# Altium PCB PCB-ZB206B-0B.PcbDoc (part 5 of 7) (continued)
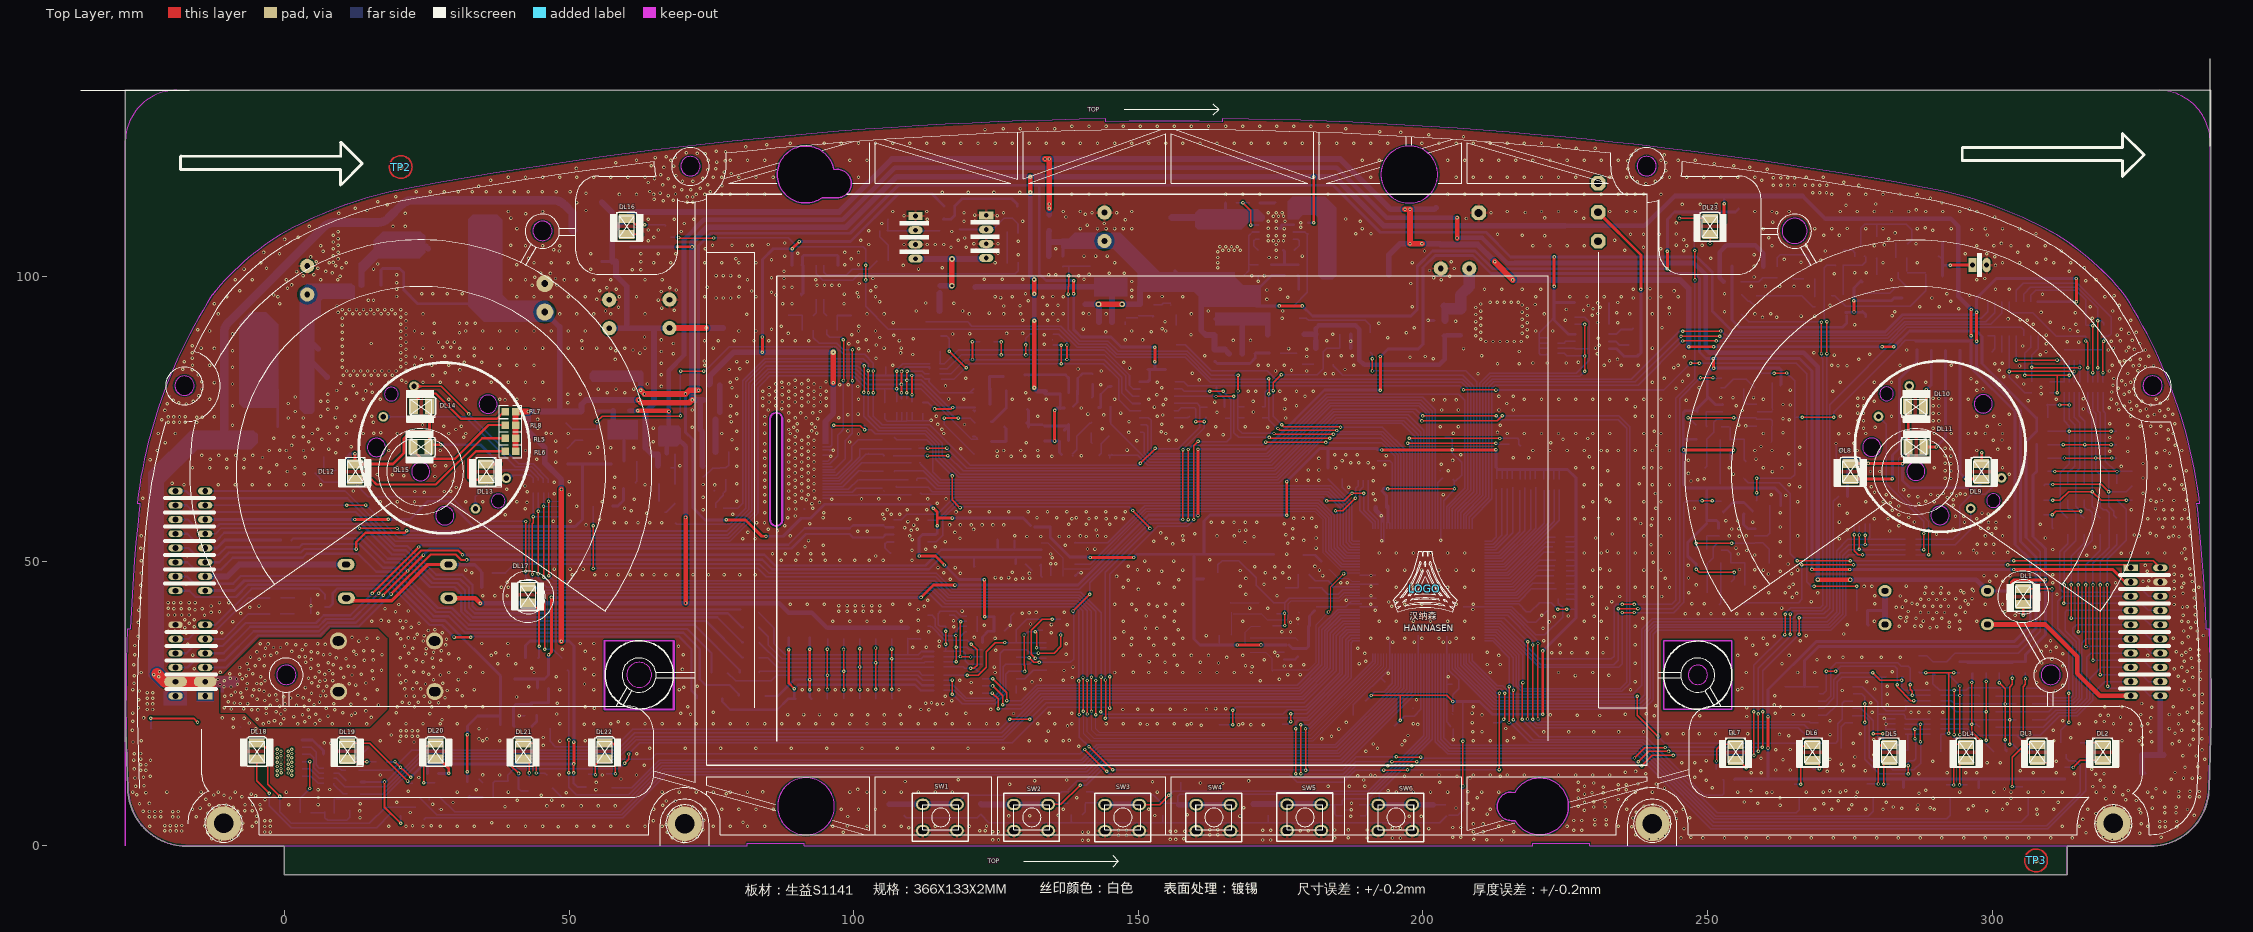
[diagram p0: Top Layer view]
## Nets (pads, with @x,y where several pads share a name; then routed paths per layer and width w, separated by ;. In a path a pad name is that pad's centre, name@x,y a point inside that pad or via, vN(x,y) a via of type N, cw(c..) or ccw(c..) an arc to the next point about the centre after c; other vN are vias at no path point) (continued)
  Bottom Layer w0.25: R120.1@309.753,68.148 v1(312.725,68.148) ; RP15.3@317.692,79.697 317.692,76.431 318.2,75.923 v1(318.2,68.148) 318.2,66.04 319.05,65.19 R205.2@319.05,63.627 ; v1(321.005,68.148) C41.1@321.945,68.148
NetC42_1: C42.1 R121.1 R203.2 RP15.2 | length 40.1
  Top Layer w0.25: v1(310.642,63.5) 319.202,63.5 v1(320.472,62.23)
  Bottom Layer w0.25: R121.1@309.113,63.246 309.367,63.5 v1(310.642,63.5) ; RP15.2@318.592,79.697 318.592,76.471 319,76.063 319,67.08 320.472,65.608 v1(320.472,62.23) ; R203.2@321.921,57.537 321.336,58.122 321.336,58.801 320.472,59.666 v1(320.472,62.23) ; C42.1@324.612,63.246 323.596,62.23 v1(320.472,62.23)
NetC43_1: C43.1 R122.1 R201.2 RP15.1 | length 32.1
  Top Layer w0.25: v1(311.023,65.786) v1(321.945,65.786)
  Bottom Layer w0.25: R122.1@309.753,65.786 v1(311.023,65.786) ; RP15.1@319.492,79.697 319.492,76.451 319.913,76.03 319.913,67.619 321.722,65.81 v1@321.921,65.81 ; R201.2@321.921,63.627 v1@321.921,65.81 ; C43.1@324.612,65.786 v1(321.945,65.786) v1@321.921,65.81
NetC44_1: C44.1 R123.1 R214.2 RP17.4 | length 36
  Top Layer w0.25: v1@313.567,72.873 v1(320.904,72.873)
  Bottom Layer w0.25: R123.1@309.753,72.873 v1(313.563,72.873) 313.567,72.873 v1@313.592,72.898 ; RP17.4@312.652,79.697 312.652,74.698 313.592,73.758 v1@313.592,72.898 ; R214.2@313.309,57.537 311.937,58.909 311.937,65.528 313.592,67.183 v1@313.592,72.898 ; v1(320.904,72.873) C44.1@321.945,72.873
NetC45_1: C45.1 R124.1 R209.2 RP17.3 | length 23.5
  Top Layer w0.25: v1(311.912,77.47) v1(313.552,77.47)
  Bottom Layer w0.25: R124.1@309.753,75.184 R124.1@309.753,75.235 309.753,77.343 C45.1@309.626,77.47 ; C45.1@309.753,77.597 C45.1@309.626,77.47 ; v1@312.039,77.47 v1(311.912,77.47) C45.1@309.626,77.47 ; R209.2@313.309,63.627 313.309,65.532 314.492,66.715 314.492,74.001 313.552,74.941 v1(313.552,77.47) RP17.3@313.552,79.697
NetC46_1: C46.1 R125.1 R208.2 RP17.2 | length 32.7
  Top Layer w0.25: v1(310.591,58.166) 311.226,58.801 v1(315.595,58.801)
  Bottom Layer w0.25: R125.1@309.113,58.166 v1(310.591,58.166) 310.591,55.931 C46.1@310.769,55.753 ; RP17.2@314.452,79.697 314.452,75.311 315.382,74.381 315.382,66.335 314.706,65.659 314.706,59.69 v1(315.595,58.801) 315.595,58.122 R208.2@316.18,57.537
NetC47_1: C47.1 R126.1 R207.2 RP17.1 | length 28.7
  Top Layer w0.25: v1(312.522,70.51) v1(316.302,70.51) v1(320.904,70.51)
  Bottom Layer w0.25: R126.1@309.753,70.51 v1(312.522,70.51) ; RP17.1@315.352,79.697 315.352,75.554 316.302,74.604 316.302,74.167 ; R207.2@316.18,63.627 316.18,65.918 316.302,66.04 v1(316.302,70.51) 316.302,74.147 ; v1(320.904,70.51) C47.1@321.945,70.51
NetC48_1: C48.1 R54.1 U10.56 | length 10
  Bottom Layer w0.25: R54.1@179.97,47.72 181.08,46.61 183.37,46.61 184.18,45.8 C48.1@184.18,45.36 ; C48.1@184.33,45.51 U10.56@188.9,45.51
NetC48_2: C48.2 C52.1 U10.55 | length 9.8
  Bottom Layer w0.25: C52.1@179.98,45.36 C48.2@182.28,45.36 182.28,45.177 183.261,44.196 185.146,44.196 185.96,45.01 U10.55@188.9,45.01
NetC49_2: C49.2 U300.5 | length 3
  Bottom Layer w0.3: C49.2@171.069,104.648 170.307,105.41 170.307,106.299 170.593,106.585 U300.5@171.25,106.585
NetC51_1: C51.1 R194.2 R195.1 R196.1 | length 7.3
  Bottom Layer w0.5: R194.2@173.389,102.108 C51.1@175.675,102.108 ; R195.1@175.519,104.648 175.675,104.492 C51.1@175.675,102.108 ; R196.1@178.054,102.108 C51.1@175.675,102.108
NetC52_2: C52.2 C98.1 R54.2 | length 4.7
  Bottom Layer w0.25: C98.1@175.78,45.36 C52.2@178.08,45.36 178.07,45.37 R54.2@178.07,47.72
NetC58_1: C58.1 R63.2 R168.1 RP21.5 | length 42
  Top Layer w0.25: v1(101.05,34.62) 101.06,34.61 v1@101.06,27.49
  Bottom Layer w0.25: R63.2@83.29,33.07 84.913,33.07 86.553,31.43 v1(101.06,31.43) 113.99,31.43 RP21.5@114.02,31.46 ; v1(101.04,27.47) 101.04,25.876 C58.1@101.086,25.83 ; v1@101.042,34.62 R168.1@101.042,36.39
NetC59_1: C59.1 R61.2 R72.1 RP21.6 | length 43
  Top Layer w0.25: v1@103.84,34.72 103.85,34.71 v1(103.85,27.54) ; v1(103.84,34.77) 103.84,34.72 103.87,34.75 103.858,34.762 v1@103.858,34.77
  Bottom Layer w0.25: R61.2@83.29,35.79 83.33,35.79 86.96,32.16 v1(103.84,32.16) 112.4,32.16 112.6,32.36 RP21.6@114.02,32.36 ; v1(103.85,27.54) 103.85,25.897 C59.1@103.917,25.83 ; R72.1@103.858,36.39 v1@103.858,34.762 ; v1@103.858,34.762 103.87,34.75 103.858,34.738 v1@103.858,34.762
NetC60_1: C60.1 R60.2 R77.1 RP21.7 | length 44.6
  Top Layer w0.3: v1(106.67,34.58) 106.68,34.57 v1(106.68,27.54)
  Bottom Layer w0.3: R60.2@83.29,38.42 84.963,36.747 84.963,35.306 87.409,32.86 111.85,32.86 112.25,33.26 RP21.7@114.02,33.26 ; v1(106.67,34.58) 106.674,34.584 R77.1@106.674,36.39 ; v1(106.68,27.54) 106.68,25.899 C60.1@106.749,25.83
  other v1: 106.67,32.86
NetC61_1: C61.1 R59.2 R82.1 RP21.8 | length 40.8
  Bottom Layer w0.3: R59.2@83.29,41.01 85.979,38.321 85.979,35.56 87.949,33.59 109.49,33.59 ; R82.1@109.47,36.44 109.47,36.41 R82.1@109.49,36.39 ; C61.1@111.765,36.322 111.697,36.39 R82.1@109.49,36.39 ; RP21.8@114.02,34.16 111.88,34.16 111.31,33.59 109.49,33.59 ; 109.49,33.59 R82.1@109.49,36.39
NetC62_1: C62.1 R49.1 R69.2 RP22.5 | length 50.9
  Top Layer w0.4: v1@88.59,34.46 88.59,28.6 v1(89.56,27.63)
  Bottom Layer w0.4: R69.2@76.88,25.9 76.88,25.355 78.295,23.94 86.55,23.94 88.44,25.83 C62.1@89.76,25.83 ; v1(88.58,34.47) R49.1@88.58,36.59 ; C62.1@89.56,26.03 v1(89.56,27.63) 90.26,28.33 110.75,28.33 111.76,27.32 RP22.5@114.02,27.32
NetC63_1: C63.1 R68.2 R108.1 RP22.6 | length 42
  Top Layer w0.4: v1(92.26,34.53) 92.27,34.52 v1(92.27,27.42)
  Bottom Layer w0.4: R68.2@84.56,26.34 86.7,26.34 89.58,29.22 v1(92.25,29.22) 110.99,29.22 111.99,28.22 RP22.6@114.02,28.22 ; v1(92.26,34.53) 92.26,36.56 R108.1@92.29,36.59 ; v1(92.27,27.42) 92.27,26.151 C63.1@92.591,25.83
NetC64_1: C64.1 R51.1 R65.2 RP22.7 | length 48.1
  Top Layer w0.25: v1(95.38,34.54) 95.39,34.53 v1(95.39,29.98) v1(95.39,27.49)
  Bottom Layer w0.25: R65.2@77.8,30.46 79.24,29.02 85.518,29.02 86.478,29.98 v1(95.39,29.98) 111.25,29.98 112.11,29.12 RP22.7@114.02,29.12 ; v1(95.39,27.49) 95.39,25.863 C64.1@95.423,25.83 ; v1@95.41,34.54 R51.1@95.41,36.39
NetC65_1: C65.1 R52.1 R64.2 RP22.8 | length 41.6
  Top Layer w0.25: v1(98.21,34.52) 98.21,33.03 98.22,33.02 v1(98.22,27.44)
  Bottom Layer w0.25: R64.2@83.29,30.46 83.485,30.655 111.445,30.655 112.08,30.02 RP22.8@114.02,30.02 ; v1(98.22,27.44) 98.22,25.864 C65.1@98.254,25.83 ; v1@98.226,34.526 R52.1@98.226,36.39
  other v1: 98.23,30.66
NetC67_2: C67.2 D28.2 R20.1 | length 6.7
  Bottom Layer w0.5: R20.1@124.15,74.52 124.39,74.52 126.79,76.92 C67.2@126.79,79.96
NetC68_1: C68.1 R80.1 R83.1 R85.2 | length 29.2
  Top Layer w0.6: R80.1@10.85,43.52 11.23,43.52 11.66,43.09 18.82,43.09 25.17,49.44 R85.2@28.81,49.44
  Bottom Layer w0.6: R85.2@28.81,49.44 28.86,49.39 33.43,49.39 R83.1@34.36,48.46 ; C68.1@34.65,45.46 R83.1@34.65,47.96
NetC73_2: C73.2 D4.2 R8.1 R19.1 | length 7.5
  Bottom Layer w0.5: R8.1@123.87,80.13 123.88,80.13 123.84,80.17 123.84,82.42 123.89,82.47 D4.2@126.259,82.47 ; R19.1@123.94,77.59 123.95,77.59 R8.1@123.95,80.37
NetC74_1: C74.1 D17.2 R30.1 | length 5.1
  Bottom Layer w0.5: R30.1@124.23,71.06 124.24,71.05 126.73,71.05 126.73,73.309 D17.2@126.469,73.57
NetC85_1: C85.1 R109.1 R111.2 R127.1 | length 11.6
  Bottom Layer w0.5: C85.1@278.26,38.78 278.14,38.9 R127.1@278.14,41.37 281.04,41.37 281.14,41.27
  Bottom Layer w1: R111.2@281.19,38.9 R109.1@281.19,44.81
NetC86_2: C86.2 R39.2 R46.2 U15.3 | length 20.8
  Top Layer w0.25: v1(246.59,75.23) v1(254.58,75.23)
  Bottom Layer w0.25: v1(246.59,75.23) 246.73,75.23 R39.2@248.02,73.94 ; v1(254.58,75.23) v1@254.62,75.19 ; v1@254.63,75.2 258.44,75.2 U15.3@258.65,74.99 ; U15.3@258.67,74.97 U15.3@258.65,74.99 ; U15.3@258.87,74.97 261.08,74.97 261.35,74.7 C86.2@261.35,73.78 ; U15.3@258.87,74.99 U15.3@258.65,74.99 ; R46.2@261.18,70.93 261.33,71.08 C86.2@261.33,73.81
NetC89_1: C89.1 R98.2 R100.1 U19.2 | length 7.9
  Bottom Layer w0.25: U19.2@258.24,54.45 258.22,54.47 260.52,54.47 260.98,54.93 R98.2@260.98,59.81
NetC90_1: C90.1 R99.1 R103.1 U19.6 | length 9.8
  Bottom Layer w0.25: R99.1@249.85,49.64 249.85,49.62 249.92,49.55 R103.1@249.92,44.49 ; R99.1@250.23,49.82 251,50.59 251,52.49 251.7,53.19 U19.6@252.33,53.19
NetC91_1: C91.1 R94.1 R190.2 RP8.1 | length 29.5
  Top Layer w0.25: v1(303.086,17.844) v1(303.086,22.183) 303.086,27.877 303.581,28.372 v1(303.581,29.451)
  Bottom Layer w0.25: RP8.1@290.95,22.28 290.96,22.27 292.344,22.27 292.354,22.28 ; RP8.1@291.45,22.28 292.354,22.28 ; v1(303.086,17.844) 303.608,17.844 C91.1@304.942,16.51 ; v1(303.581,29.451) R94.1@303.581,30.457 ; R190.2@304.286,22.183 v1(303.086,22.183) 296.672,22.183 296.575,22.28 292.354,22.28
NetC92_1: C92.1 R112.1 R198.2 RP8.3 | length 30.3
  Top Layer w0.25: v1(305.435,19.431) 305.435,27.94 305.867,28.372 v1(305.867,29.388)
  Bottom Layer w0.25: RP8.3@290.95,20.48 291.04,20.57 295.66,20.57 296.799,19.431 R198.2@304.286,19.431 R198.2@304.343,19.431 ; v1(305.435,19.431) R198.2@304.343,19.431 ; v1(305.867,29.388) R112.1@305.867,30.457 ; C92.1@307.264,16.51 R198.2@304.343,19.431
NetC93_2: C93.2 R101.2 R106.2 U19.3 | length 16.8
  Top Layer w0.25: v1(248.01,53.192) v1(254.233,53.192)
  Bottom Layer w0.25: R101.2@248.01,52.11 v1(248.01,53.192) ; v1(254.233,53.192) 258.328,53.192 U19.3@258.33,53.19 ; U19.3@258.33,53.24 259.74,53.24 260.89,52.09 R106.2@260.89,49.68
NetC94_2: C94.2 CP8.1 Q6.2 Q7.3 R114.2 | length 50.9
  Top Layer w0.5: v1(275.75,93.8) v1@275.75,95.75
  Bottom Layer w0.25: Q7.3@284.044,96.126 Q7.3@284.155,96.238
  Bottom Layer w0.5: Q6.2@254.32,101.865 254.32,92.41 255.62,91.11 273.75,91.11 274.48,91.84 C94.2@274.48,93.1 ; C94.2@274.29,93.7 C94.2@274.62,93.7 ; C94.2@274.62,93.77 277.14,93.77 277.26,93.89 277.81,93.34 CP8.1@277.81,92.98 ; R114.2@277.15,99.1 277.15,99.14 277.04,99.25 276.923,99.25 275.72,98.047 v1(275.72,95.78) 282.321,95.78 282.779,96.238 Q7.3@284.155,96.238
NetC95_2: C95.2 CP10.1 R118.1 R157.1 R159.1 | length 11.2
  Bottom Layer w0.25: R118.1@258.55,96.66 C95.2@261.02,96.66 266.56,96.66 268.47,94.75 R157.1@268.91,94.75
NetC96_2: C96.2 CP9.2 D31.2 J3.1 | length 13.9
  Top Layer w0.5: v1(292.63,102.02) 292.66,102.05 293.827,102.05 293.833,102.044 J3.1@296.547,102.044
  Bottom Layer w0.25: C96.2@290.55,103.71 C96.2@291.04,103.22 ; 291.27,104.17 D31.2@291.27,106.16
  Bottom Layer w0.5: 291.27,102.02 291.31,102.02 ; CP9.2@291.31,100.12 291.31,102.02 ; 291.31,102.04 291.31,105.97 D31.2@291.35,106.01 ; v1(292.63,102.02) 291.31,102.02
NetC97_1: C97.1 Q15.2 R158.1 R167.2 | length 10.6
  Bottom Layer w0.25: R167.2@273.83,99.33 R167.2@273.85,99.35 ; R158.1@273.85,96.84 R167.2@273.85,99.35 ; Q15.2@277.55,103.53 Q15.2@277.67,103.65 ; Q15.2@277.8,103.54 277.8,102.67 277.18,102.05 273.93,102.05 273.88,102.1 R167.2@273.88,99.44 ; R167.2@273.85,99.35 273.85,99.41 R167.2@273.88,99.44 ; R167.2@273.85,99.35 273.88,99.38 R167.2@273.88,99.44
NetC100_1: C100.1 CP19.1 R178.1 U3.3 | length 12.6
  Bottom Layer w1.2: R178.1@203.708,94.869 203.858,94.719 C100.1@203.858,92.329
  Bottom Layer w2: R178.1@204.347,94.342 U3.3@206.629,94.342 206.629,96.774 208.153,98.298 CP19.1@208.153,101.442
NetC102_2: C102.2 C103.2 D22.1 L4.2 U300.1 | length 20
  Bottom Layer w1: 177.87,110.744 D22.1@177.87,112.92 182.482,112.92 184.023,111.379 L4.2@184.023,100.33
NetC201_1: C201.1 R210.2 R211.1 | length 5.4
  Bottom Layer w0.3: C201.1@126.94,102.45 126.97,102.48 126.97,105.08 R210.2@126.97,107.88
NetC202_1: C202.1 R212.2 R213.1 | length 5.9
  Bottom Layer w0.25: R212.2@104.59,108.11 104.59,107.04 106.06,105.57 C202.1@106.06,102.84
NetC205_1: C205.1 R232.1 R233.1 | length 5
  Bottom Layer w0.25: R232.1@88.53,93.22 90.94,93.22 R233.1@91,93.16 C205.1@91,90.63
NetC206_1: C206.1 R231.1 R234.2 | length 5
  Bottom Layer w0.3: C206.1@97.12,90.64 R234.2@97.12,93.17 99.53,93.17 R231.1@99.58,93.22
NetC208_1: C208.1 CP200.1 L205.2 U21.4 | length 15
  Bottom Layer w0.5: CP200.1@90.77,97.02 90.88,96.91 CP200.1@90.88,96.94 ; CP200.1@90.83,96.79 91.08,97.04 L205.2@91.08,101.97 ; L205.2@90.89,102.06 L205.2@90.91,102.04 ; L205.2@91.03,102.03 91.02,102.04 91.02,103.55 91.24,103.77 97.06,103.77 97.24,103.59 U21.4@97.24,102
NetCP9_1: CP9.1 R117.1 R158.2 R164.2 | length 27.2
  Bottom Layer w0.25: R158.2@271.86,96.74 271.79,96.67 272.37,96.67 274.27,94.77 285.61,94.77 288.39,97.55 CP9.1@288.39,100.44 ; R117.1@285.01,100.92 285.02,100.93 R164.2@285.02,103.31 ; R117.1@285.07,100.71 CP9.1@288.34,100.71
NetCP13_5: CP13.5 RP11.4 U10.31 | length 201.9
  Top Layer w0.25: v1(43.561,47.752) 43.561,56.642 43.7,56.781 v1(43.7,57.86) ; v1@43.695,57.865 43.72,57.89 v1@43.7,57.91 ; v1@140.3,29.552 140.3,23.65 v1(140.31,23.64)
  Bottom Layer w0.2: v1@140.38,23.63 140.38,19.704 141.644,18.44 180.697,18.44 193.65,31.393 U10.31@193.65,33.76
  Bottom Layer w0.25: v1(43.561,47.752) 43.561,47.039 45.67,44.93 113.674,44.93 116.054,42.55 139.03,42.55 140.28,41.3 v1@140.28,29.59 ; RP11.4@43.7,62.03 v1(43.7,57.86) 43.71,57.85 CP13.5@48.35,57.85 ; v1@140.31,23.63 v1(140.31,23.64)
  other v1: 140.28,29.57
NetCP13_6: CP13.6 RP11.3 U10.32 | length 199
  Top Layer w0.25: v1@44.58,47.8 44.6,47.82 v1(44.6,58.79) ; v1(141.02,29.06) 141.02,29.08 141.07,29.03 v1@141.07,23.22
  Bottom Layer w0.2: v1@44.6,58.72 44.63,58.75 CP13.6@48.35,58.75 ; v1@141.03,23.24 141.04,23.23 141.04,20.07 142.17,18.94 180.49,18.94 193.15,31.6 U10.32@193.15,33.76
  Bottom Layer w0.25: v1(44.56,47.78) 44.56,46.99 46.07,45.48 113.84,45.48 116.26,43.06 139.234,43.06 141,41.294 v1@141,29.07 ; v1@44.6,58.72 v1(44.6,58.79) RP11.3@44.6,62.03 ; v1(141.02,29.06) v1@141.02,29.08
  other v1: 141.03,23.18
NetCP13_7: CP13.7 RP11.2 U10.33 | length 195.5
  Top Layer w0.25: v1(45.5,59.68) 45.52,59.66 v1@45.52,47.26 ; v1(141.77,23.63) v1(141.77,29.61)
  Bottom Layer w0.2: v1@45.5,59.66 45.51,59.65 CP13.7@48.35,59.65 ; v1@141.76,23.62 141.77,23.61 141.79,23.59 141.79,20.34 142.646,19.484 180.265,19.484 192.65,31.869 U10.33@192.65,33.76
  Bottom Layer w0.25: v1@45.5,59.66 v1(45.5,59.68) RP11.2@45.5,62.03 ; v1(45.547,47.233) 46.09,46.69 ; 46.105,46.675 46.76,46.02 114.11,46.02 116.568,43.562 139.442,43.562 141.77,41.234 v1@141.77,29.62 ; v1@141.77,23.61 v1(141.77,23.63)
NetCP13_8: CP13.8 RP11.1 U10.34 | length 192.5
  Top Layer w0.25: v1(46.38,60.55) 46.4,60.53 v1(46.4,47.48) ; v1@142.5,23.05 v1(142.5,29.06)
  Bottom Layer w0.2: RP11.1@46.38,62.04 v1(46.38,60.55) CP13.8@48.35,60.55 ; v1@142.5,23.14 142.51,23.13 v1(142.51,23.04) 142.51,20.58 143.15,19.94 180.076,19.94 192.15,32.014 U10.34@192.15,33.76
  Bottom Layer w0.25: v1@46.45,47.48 47.31,46.62 114.25,46.62 116.808,44.062 139.652,44.062 142.49,41.224 v1@142.49,29.09
NetCP14_5: CP14.5 RP12.4 U10.5 | length 110.1
  Bottom Layer w0.25: U10.5@206.65,33.76 206.65,31.716 212.844,25.522 237.882,25.522 238.952,26.592 238.952,37.823 240.521,39.392 271.022,39.392 272.71,41.08 272.71,51.88 274.67,53.84 RP12.4@284.75,53.84 ; CP14.5@278.52,56.62 278.52,53.9 278.56,53.86
NetCP14_6: CP14.6 RP12.3 U10.6 | length 111.6
  Top Layer w0.25: v1(277.7,52.96) 277.7,54.55 v1(277.74,54.59)
  Bottom Layer w0.25: U10.6@206.15,33.76 206.15,31.504 212.632,25.022 238.232,25.022 239.452,26.242 239.452,37.616 240.728,38.892 271.232,38.892 273.27,40.929 273.27,51.43 274.78,52.94 v1@277.7,52.94 ; v1(277.7,52.96) v1@277.719,52.941 ; v1@277.719,52.94 RP12.3@284.75,52.94 ; v1(277.74,54.59) CP14.6@277.74,56.59
NetCP14_7: CP14.7 RP12.2 U10.7 | length 112.7
  Top Layer w0.25: v1(276.66,52.1) 276.66,54.59 v1(276.7,54.63)
  Bottom Layer w0.25: U10.7@205.65,33.76 205.65,31.294 212.434,24.51 238.55,24.51 239.7,25.66 239.952,25.912 239.952,37.408 240.935,38.392 271.442,38.392 273.78,40.729 273.78,50.98 274.84,52.04 v1@276.659,52.04 ; v1(276.66,52.1) v1@276.659,52.04 ; v1(276.7,54.63) CP14.7@276.7,56.24 ; RP12.2@284.75,52.04 v1@276.659,52.04
NetCP14_8: CP14.8 RP12.1 U10.8 | length 115.5
  Top Layer w0.25: v1(275.82,54.65) 275.82,51.84 276.52,51.14 v1(277.241,51.14)
  Bottom Layer w0.25: U10.8@205.15,33.76 205.15,31.084 212.234,24 238.75,24 240.46,25.71 240.46,37.151 241.201,37.892 271.652,37.892 274.29,40.53 274.29,50.65 274.78,51.14 v1(277.241,51.14) RP12.1@284.75,51.14 ; v1(275.82,54.65) CP14.8@275.82,56.54
NetD1_2: D1.2 Q1.1 | length 2.2
  Bottom Layer w0.5: D1.2@43.53,21.03 43.51,21.05 43.5,21.05 44.31,21.86 Q1.1@44.31,22.91
NetD3_2: D3.2 Q20.1 | length 14.3
  Bottom Layer w0.25: Q20.1@178.308,92.71 179.527,92.71 179.908,92.329 189.865,92.329 190.754,91.44 D3.2@190.754,90.141
NetD4_1: D4.1 Q14.2 R86.2 | length 10.4
  Bottom Layer w0.5: D4.1@130.09,82.74 130.12,82.77 D4.1@130.78,82.77 ; D4.1@130.74,82.73 D4.1@130.78,82.77 ; D4.1@130.8,82.79 D4.1@130.78,82.77 ; Q14.2@137.185,82.77 D4.1@130.78,82.77 ; Q14.2@137.295,82.66 137.78,82.175 Q14.2@137.78,79.625
NetD5_1: D5.1 R48.2 R50.2 | length 7.9
  Bottom Layer w0.25: D5.1@252.14,63.63 252.26,63.75 R50.2@252.26,67.88 ; R50.2@252.15,67.84 252.14,67.85 252.12,67.85 252.22,67.95 R48.2@252.22,71.4
NetD12_2: D12.2 Q2.1 | length 2.5
  Bottom Layer w0.25: Q2.1@66.76,58.58 67.07,58.58 D12.2@68.65,60.16
NetD13_1: D13.1 R129.2 R137.2 | length 7.5
  Bottom Layer w0.25: D13.1@252.05,42.41 252.06,42.4 252.07,42.4 252.32,42.65 R129.2@252.32,49.77
NetD14_2: D14.2 R129.1 R150.2 U19.5 | length 10
  Bottom Layer w0.25: U19.5@252.44,51.92 253.59,51.92 254.13,51.38 254.13,49.71 254.18,49.76 256.54,49.76 256.54,45.84 D14.2@256.57,45.81
NetD15_2: D15.2 Q27.1 | length 2.1
  Bottom Layer w0.25: Q27.1@178.765,84.582 D15.2@180.848,84.582
NetD16_2: D16.2 Q3.1 | length 4.4
  Bottom Layer w0.5: D16.2@57.64,59.69 58.547,59.69 59.55,60.693 Q3.1@59.55,62.79
NetD17_1: D17.1 D28.1 Q17.2 R132.2 | length 14.4
  Bottom Layer w0.5: D17.1@130.36,74.33 130.685,74.005 D17.1@130.71,74.005 ; D28.1@130.55,76.65 130.71,76.49 D17.1@130.71,74.005 ; D17.1@130.71,73.57 D17.1@130.71,74.005 ; R132.2@133.085,74.005 D17.1@130.71,74.005 ; R132.2@133.51,73.755 Q17.2@137.72,73.755 ; Q17.2@136.995,73.03 Q17.2@137.72,73.755 ; Q17.2@137.72,71.205 137.72,74.04 Q17.2@137.72,73.755
NetD19_1: D19.1 Q7.2 R114.1 | length 6.2
  Bottom Layer w0.25: R114.1@277.44,97.11 282.03,97.11 Q7.2@283.19,98.27
NetD19_2: D19.2 D30.1 | length 3
  Bottom Layer w0.25: D30.1@279.64,103.31 279.72,103.23 D19.2@279.72,100.36
NetD21_2: D21.2 Q16.1 | length 4.3
  Bottom Layer w0.25: Q16.1@143.02,68.56 143.47,69.01 143.47,70.67 D21.2@144.88,72.08
NetD22_2: D22.2 R162.2 | length 2.6
  Bottom Layer w0.5: R162.2@171.41,112.98 173.94,112.98 D22.2@174.01,113.05
NetD24_2: D24.2 RP19.2 | length 2.8
  Bottom Layer w0.25: RP19.2@8.65,12.78 9.5,12.78 D24.2@10.86,11.42
NetD26_2: D26.2 Q22.1 | length 1.9
  Bottom Layer w0.25: D26.2@156.67,91.465 Q22.1@156.67,93.32
NetD27_2: D27.2 R48.1 R70.2 U15.5 | length 10.6
  Bottom Layer w0.25: U15.5@252.4,73.65 253.82,73.65 253.84,73.67 253.99,73.52 253.99,71.23 254.17,71.41 256.47,71.41 256.47,67.81 D27.2@256.79,67.49
NetD29_2: D29.2 R118.2 | length 3.3
  Bottom Layer w0.25: D29.2@255.97,96.8 256.031,96.8 257.15,95.682 257.454,95.682 R118.2@258.356,94.78 ; D29.2@256.06,96.797 D29.2@256.06,96.9
NetD30_2: D30.2 Q10.2 Q15.3 | length 17.8
  Bottom Layer w0.25: Q15.3@276.82,105.41 276.9,105.49 276.9,108.52 277.59,109.21 284.9,109.21 285.85,108.26 285.85,106.4 Q10.2@285.12,105.67 ; 279.72,109.17 279.74,109.15 D30.2@279.74,107.03
NetD33_2: D33.2 Q13.1 | length 5.3
  Bottom Layer w0.4: Q13.1@143.06,76.96 Q13.1@143.06,77.07 ; Q13.1@143.31,77.01 143.33,76.99 143.33,76.96 143.4,77.03 143.4,79.35 144.7,80.65 D33.2@145.1,80.65 ; D33.2@144.85,80.74 D33.2@145.29,80.74
NetD38_2: D38.2 R29.2 | length 2.5
  Bottom Layer w0.5: R29.2@8.73,16.17 9.24,16.68 10.875,16.68 D38.2@10.95,16.755
NetD66_2: D66.2 RP19.1 | length 1.6
  Bottom Layer w0.25: 9.25,13.68 9.58,13.68 10.01,13.25 D66.2@10.71,13.25
NetD68_2: D68.2 RP19.4 | length 3.3
  Bottom Layer w0.25: RP19.4@8.68,10.98 8.68,10.74 10.27,9.15 D68.2@11.04,9.15
NetD201_3: D201.3 JV01.2 R210.1 TP141.1 | length 13.1
  Bottom Layer w0.3: TP141.1@118.62,108.36 118.59,108.36 118.66,108.29 JV01.2@123.27,108.29 124.4,108.29 126.4,110.29 D201.3@127.72,110.29 ; D201.3@127.9,110.28 128.86,109.32 R210.1@128.86,107.62
NetD202_3: D202.3 JV02.2 R212.1 TP142.1 | length 11.3
  Bottom Layer w0.3: R212.1@105.94,108.13 R212.1@105.99,108.08 ; R212.1@105.99,108 R212.1@105.99,108.08 ; TP142.1@106.07,110.11 105.99,110.03 R212.1@105.99,108.08 ; D202.3@115.055,108.078 105.992,108.078 R212.1@105.99,108.08
NetDL1_1: DL1.1 R204.1 | length 4.2
  Top Layer w0.5: v1(305.47,40.51) 305.492,40.532 DL1.1@305.492,42.407
  Bottom Layer w0.5: R204.1@305.34,42.75 305.47,42.62 v1(305.47,40.51)
NetDL1_2: DL1.2 Q38.3 | length 33.9
  Top Layer w0.25: DL1.2@305.492,45.207 310.473,45.207 v1(310.53,45.15) ; v1(313.48,26.797) 313.48,21.74 v1(313.5,21.72)
  Bottom Layer w0.25: v1(310.53,45.15) 310.54,45.14 310.54,38.202 313.48,35.262 v1(313.48,26.797) ; Q38.3@312.075,18.122 312.075,20.295 v1(313.5,21.72)
NetDL2_1: DL2.1 R202.1 | length 7.2
  Top Layer w0.25: v1(314.3,13.78) 315.537,15.017 DL2.1@319.472,15.017
  Bottom Layer w0.25: R202.1@312.77,13.78 v1(314.3,13.78)
NetDL2_2: DL2.2 Q37.3 | length 4.1
  Top Layer w0.25: v1(316.892,18.122) 318.955,18.122 319.26,17.817 DL2.2@319.472,17.817
  Bottom Layer w0.25: Q37.3@315.455,18.122 v1(316.892,18.122)
NetDL3_1: DL3.1 R200.1 | length 3.1
  Top Layer w0.25: DL3.1@308.41,14.69 308.45,14.65 v1(310.3,14.65)
  Bottom Layer w0.25: R200.1@309.58,13.93 R200.1@309.6,13.95 ; R200.1@309.88,13.67 310.3,14.09 v1(310.3,14.65)
NetDL3_2: DL3.2 Q36.3 | length 12.3
  Top Layer w0.25: v1(303.55,10.44) 303.55,15.56 305.807,17.817 DL3.2@307.972,17.817
  Bottom Layer w0.25: v1(303.55,10.44) 303.558,10.432 Q36.3@305.385,10.432
NetDL4_1: DL4.1 R192.1 | length 6.7
  Top Layer w0.25: v1(294.28,10.71) 294.28,14.64 294.657,15.017 DL4.1@295.472,15.017
  Bottom Layer w0.25: v1(294.28,10.71) R192.1@295.66,10.71
NetDL4_2: DL4.2 Q34.3 | length 11.8
  Top Layer w0.25: v1(293.27,10.7) 293.27,17.37 293.717,17.817 DL4.2@295.472,17.817 ; DL4.2@294.966,17.31 DL4.2@295.472,17.817 ; DL4.2@296.203,17.817 DL4.2@295.472,17.817
  Bottom Layer w0.25: Q34.3@291.99,10.73 292.02,10.7 v1(293.27,10.7)
NetDL5_1: DL5.1 R188.1 | length 5.9
  Top Layer w0.25: v1(280.93,10.84) 280.93,14.48 281.436,14.48 DL5.1@281.972,15.017
  Bottom Layer w0.25: v1(280.93,10.84) 281.88,10.84 R188.1@281.91,10.81
NetDL5_2: DL5.2 Q32.3 | length 10.6
  Top Layer w0.25: v1(280.03,10.88) 280.03,17.25 280.597,17.817 DL5.2@281.972,17.817
  Bottom Layer w0.25: Q32.3@278.06,10.86 278.08,10.88 v1(280.03,10.88) v1@280.01,10.86
NetDL6_1: DL6.1 R184.1 | length 4.2
  Top Layer w0.25: DL6.1@268.462,15.017 269.627,15.017 269.65,15.04 269.65,13.55 v1(269.67,13.53)
  Bottom Layer w0.25: R184.1@268.34,13.83 268.71,13.46 v1@269.67,13.46
NetDL6_2: DL6.2 Q30.3 | length 10.6
  Top Layer w0.25: v1(266.37,10.84) 266.37,17.2 266.64,17.47 267.88,17.47 DL6.2@268.03,17.62 ; DL6.2@267.217,17.817 DL6.2@268.462,17.817
  Bottom Layer w0.25: Q30.3@265.27,10.87 265.3,10.84 v1(266.37,10.84)
NetDL7_1: DL7.1 R181.1 | length 4.2
  Top Layer w0.25: DL7.1@254.942,15.017 255.503,15.017 v1(256.81,13.71)
  Bottom Layer w0.25: R181.1@255,13.69 256.79,13.69 v1(256.81,13.71)
NetDL7_2: DL7.2 Q29.3 | length 8.2
  Top Layer w0.25: v1(251.59,14.92) 251.59,16.98 252.427,17.817 DL7.2@254.942,17.817 ; DL7.2@254.295,17.17 DL7.2@254.942,17.817 ; DL7.2@254.909,17.85 DL7.2@254.942,17.817
  Bottom Layer w0.25: Q29.3@251.57,13.48 251.57,14.9 v1(251.59,14.92)
NetDL8_1: DL8.1 RL1.2 | length 31.9
  Top Layer w0.5: DL8.1@275.102,64.377 275.206,64.48 v1(282.48,64.48)
  Bottom Layer w0.5: v1(282.48,64.48) 282.48,68.68 283.73,69.93 283.73,82.08 286.79,85.14 RL1.2@286.79,87.16
NetDL8_2: DL8.2 DL9.2 DL10.2 DL11.2 Q11.3 | length 49.2
  Top Layer w0.5: DL8.2@275.102,67.177 279.174,67.177 ; 279.18,67.177 v1@284.27,67.177 ; v1@284.357,67.177 285.262,68.082 DL11.2@285.262,70.077 285.262,77.107 DL10.2@285.134,77.235 ; DL9.2@298.142,67.177 298.2,67.234 v1(298.2,69.05)
  Bottom Layer w0.5: Q11.3@273.92,67.99 277.467,67.99 v1(278.26,67.197) ; v1@284.27,67.11 284.27,64.21 285.56,62.92 297.26,62.92 298.2,63.86 v1(298.2,69.05)
  other v1: 284.27,67.14
NetDL9_1: DL9.1 RL2.2 | length 25.8
  Top Layer w0.5: v1(295.39,64.46) 298.019,64.46 DL9.1@298.122,64.357
  Bottom Layer w0.5: RL2.2@294.34,87.07 294.34,65.51 v1(295.39,64.46)
NetDL10_1: DL10.1 RL3.2 | length 10.4
  Top Layer w0.5: DL10.1@287.934,77.235 288.432,77.733 288.432,80.147 v1(288.462,80.177)
  Bottom Layer w0.5: v1(288.462,80.177) 289.307,81.021 RL3.2@289.307,87.07
NetDL11_1: DL11.1 RL4.2 | length 19.8
  Top Layer w0.5: DL11.1@288.062,70.077 288.076,70.09 v1(290.18,70.09)
  Bottom Layer w0.5: v1@290.17,70.09 291.823,71.743 RL4.2@291.823,87.04
NetDL12_1: DL12.1 RL5.2 | length 30.1
  Top Layer w0.4: DL12.1@12.362,64.327 15.333,64.327 16.17,63.49 26.58,63.49 34.73,71.64 RL5.2@38.75,71.64
NetDL12_2: DL12.2 DL13.2 DL14.2 DL15.2 Q12.3 | length 44.6
  Top Layer w0.5: v1(12.362,68.91) DL12.2@12.362,67.127 19.067,67.127 20.99,69.05 20.99,71.55 22.24,72.8 25.452,72.8 ; DL14.2@25.452,77.237 25.452,72.8 ; v1(27.48,70.49) 25.832,70.49 25.452,70.87 25.452,72.8 ; DL13.2@35.332,67.127 v1(37.777,67.127)
  Bottom Layer w0.5: Q12.3@11.14,66.88 11.14,68.51 11.54,68.91 v1(12.362,68.91) ; Q12.3@11.32,66.99 11.32,66.97 Q12.3@11.43,66.86 ; v1(27.48,70.49) 34.413,70.49 v1(37.777,67.127)